# Altium PCB galileo_cleaned.PcbDoc (part 1 of 10) (continued)
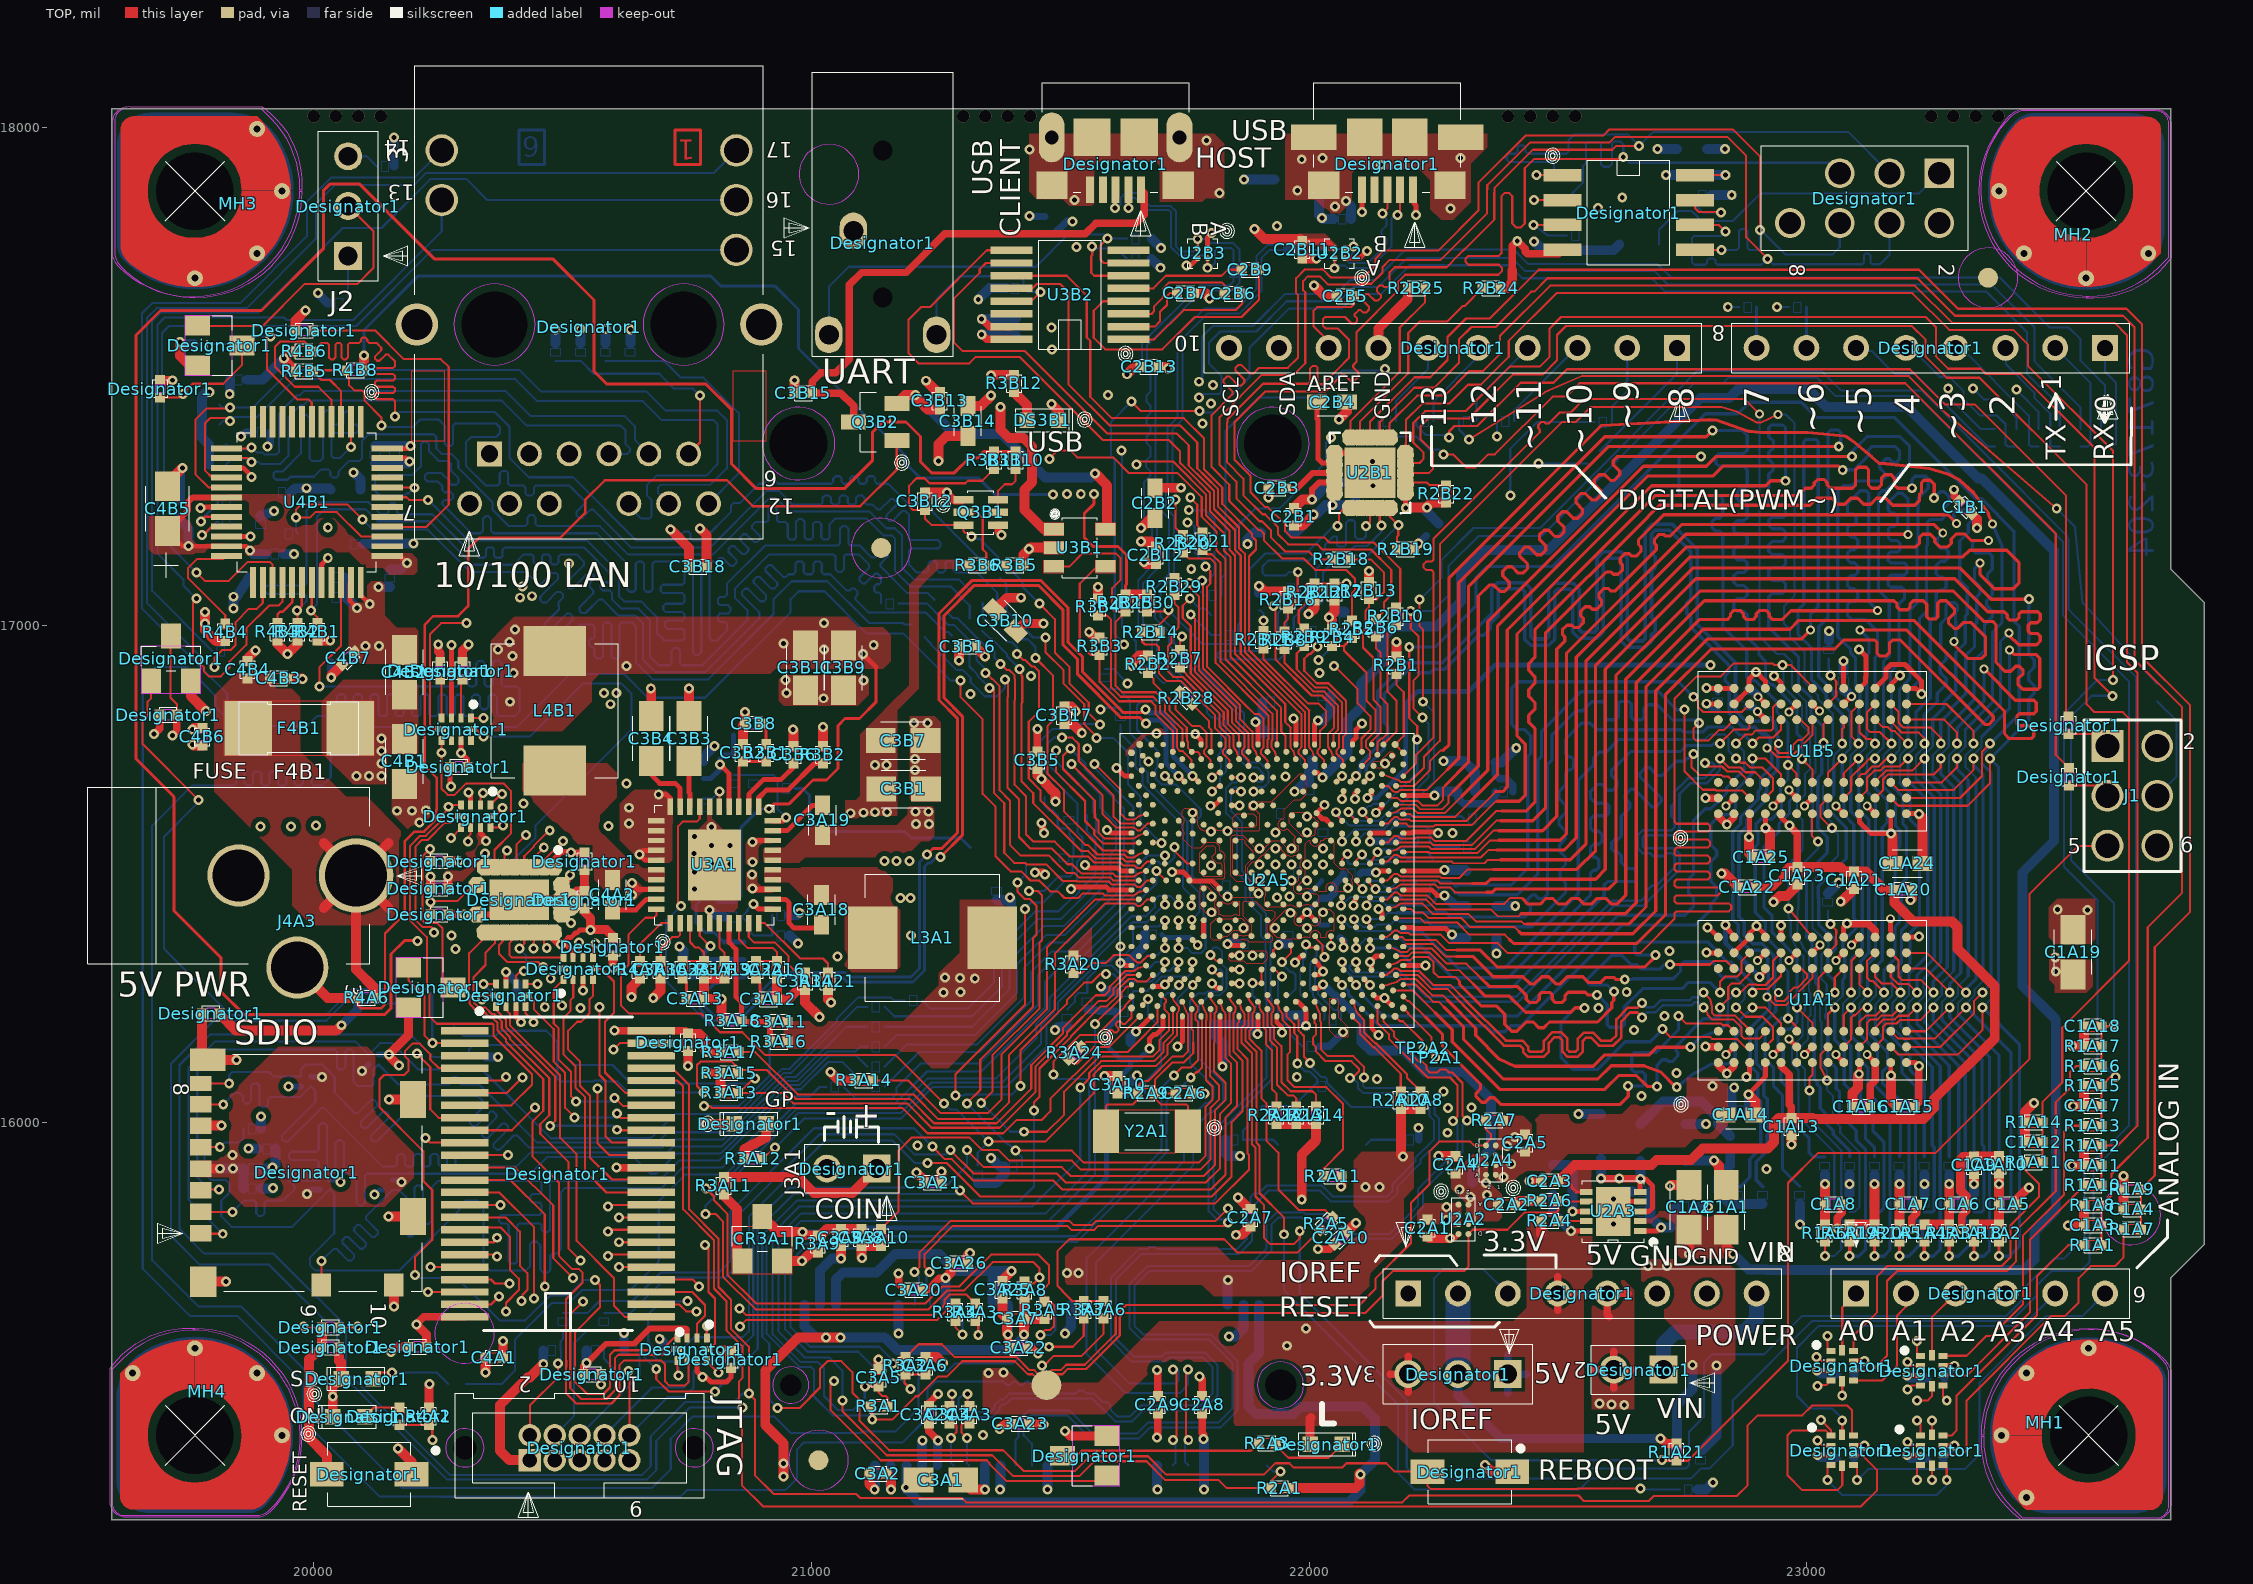
[diagram p0: TOP view]
## Components (designator, comment, footprint, x,y, rotation, side; value= is the part's Value field where it differs from the comment) (continued)
C3L29 "CAPN_0201LF-1UF,20%,4V,0201LF" SMC0201 21953,16570 r225 bottom
C3L30 "CAPN_0402LF-1000PF,10%,50V,0402LF" SMC0402A#3 22028,16583.5 r0 bottom
C3M1 "CAPN_0402LF-1000PF,10%,50V,0402LF" SMC0402A#3 21942.5,16622 r270 bottom
C3M2 "CAPN_0402LF-1000PF,10%,50V,0402LF" SMC0402A#3 22000,16667.5 r180 bottom
C3M3 "CAPN_0402LF-1UF,10%,6.3V,0402LF" SMC0402A#3 22391.5,16665 r90 bottom
C3M4 "CAPN_0603LF-2.2UF,10%,6.3V,0603LF" SMC0603#2 22344,16724 r90 bottom
C3M5 "CAPN_0402LF-1000PF,10%,50V,0402LF" SMC0402A#3 21990.5,16730 r90 bottom
C3M6 "CAPN_0402LF-1000PF,10%,50V,0402LF" SMC0402A#3 21924.5,16782 r270 bottom
C3M7 "CAPN_0402LF-1000PF,10%,50V,0402LF" SMC0402A#3 21923.5,16846 r270 bottom
C3M8 "CAPN_0402LF-1000PF,10%,50V,0402LF" SMC0402A#3 22025.5,16859 r90 bottom
C3M9 "CAPN_0603LF-10UF,20%,6.3V,0603LF" SMC0603#2 21933,17186 r270 bottom
C3M10 "CAPN_0402LF-0.1UF,10%,16V,0402LF" SMC0402A#3 22093,17268.5 r180 bottom
C3M11 "CAPN_0805LF-47UF,20%,6.3V,0805LF" SMC0805#2 21975,17895 r270 bottom
C3M12 "CAPN_0402LF-0.1UF,10%,16V,0402LF" SMC0402A#3 22066.5,17816 r90 bottom
C3M13 "CAPN_0402LF-0.1UF,10%,16V,0402LF" SMC0402A#4 22247.63,17191.63 r315 bottom
C4A1 "CAPN_0402LF-0.1UF,10%,16V,0402LF" SMC0402A#1 20362.5,15528 r270 top
C4A2 "CAPN_0603LF-.047UF,10%,16V,0603LF" SMC0603#1 20600,16458 r0 top
C4B1 "CAPN_0805LF-47UF,20%,6.3V,0805LF" SMC0805#1 20182,16726 r0 top
C4B2 "CAPN_0805LF-47UF,20%,6.3V,0805LF" SMC0805#1 20182,16905 r180 top
C4B3 "CAPN_0402LF-1UF,10%,6.3V,0402LF" SMC0402A#1 19929.5,16893 r90 top
C4B4 "CAPN_0402LF-0.1UF,10%,16V,0402LF" SMC0402A#1 19867,16910.5 r180 top
C4B5 "CAP_P_0805LF-10UF,10%,16V,0805LF" SMC0805P 19706,17234 r180 top
C4B6 "CAPN_0402LF-0.01UF,10%,50V,0402LF" SMC0402A#2 19776,16775.5 r0 top
C4B7 "CAPN_0402LF-0.1UF,10%,16V,0402LF" SMC0402A#2 20069.37,16933.37 r135 top
C4L1 "CAPN_0402LF-1UF,10%,6.3V,0402LF" SMC0402A#3 22762.5,15263 r90 bottom
C4L2 "CAPN_0402LF-0.1UF,10%,16V,0402LF" SMC0402A#4 22846,15955.5 r0 bottom
C4L3 "CAPN_0402LF-0.1UF,10%,16V,0402LF" SMC0402A#3 22866.5,16024 r90 bottom
C4M1 "CAPN_0402LF-1PF,.25PF,25V,0402LF" SMC0402A#4 22921.62,16793.63 r315 bottom
C4M2 "CAPN_0402LF-0.1UF,10%,16V,0402LF" SMC0402A#3 22880,16853.5 r180 bottom
C4M3 "CAPN_0402LF-0.1UF,10%,16V,0402LF" SMC0402A#3 22821,16846.5 r0 bottom
C4M4 "CAPN_0402LF-0.1UF,10%,16V,0402LF" SMC0402A#3 23074,16887.5 r0 bottom
C4M5 "CAPN_0402LF-0.1UF,10%,16V,0402LF" SMC0402A#3 22763.5,17904 r270 bottom
C4M6 "CAPN_0603LF-4.7UF,10%,6.3V,0603LF" SMC0603#2 22769,17957 r270 bottom
CR3A1 "DIOSOT23C_SOT23CLF-C52251-001" SOT23#1 20901,15767 r90 top
CR3M1 "DIOSOT23C_SOT23CLF-C52251-001" SOT23#2 22663,17810 r270 bottom
Designator1 "CY8C9540A_SSOP-IC,H18589-001" SSOP48_30_25IA 20490.5,15897.5 r180 top
Designator1 "TS5A23159_QFN-IC,G63512-001" QFN10_06_08_5MA 20760,15545 r270 top
Designator1 "TS5A23159_QFN-IC,G63512-001" QFN10_06_08_5MA 20396,16256 r90 top
Designator1 "TS5A23159_QFN-IC,G63512-001" QFN10_06_08_5MA 20286,16791 r270 top
Designator1 "TS5A23159_QFN-IC,G63512-001" QFN10_06_08_5MA 23071,15342 r0 top
Designator1 "TS5A23159_QFN-IC,G63512-001" QFN10_06_08_5MA 23251,15342 r0 top
Designator1 "TS5A23159_QFN-IC,G63512-001" QFN10_06_08_5MA 23251,15502 r0 top
Designator1 "TS5A23159_QFN-IC,G63512-001" QFN10_06_08_5MA 23071,15512 r0 top
Designator1 "TS5A23159_QFN-IC,G63512-001" QFN10_06_08_5MA 20531,16310 r90 top
Designator1 "TS5A23159_QFN-IC,G63512-001" QFN10_06_08_5MA 20325,16616 r270 top
Designator1 "TXS0108E_QFN-IC,H18588-001" QFN20_14_18_5MB 20413,16448 r270 top
Designator1 "1X10RCPT_THLF-G79666-001" 1X10RCPT_2P54_VT_TH 22289,17557 r180 top
Designator1 "1X6RCPT_THLF-G79672-001" 1X6RCPT_2P54_VT_TH 23349,15657 r0 top
Designator1 "1X8RCPT_THLF-G79625-001" 1X8RCPT_2P54_VT_TH 23249,17557 r180 top
Designator1 "1X8RCPT_THLF-G79625-001" 1X8RCPT_2P54_VT_TH 22549,15657 r0 top
Designator1 "W25Q64FV_8P_SOICLF-H10285-001" SOI8_50IN_213X210 22642,17829 r0 top
Designator1 "AUDIOJACK_1PORT_3P_THLF-G76363-001" JK_STX3000_3P_2GH 21143.06,17815.62 r180 top
Designator1 "2X4HDR7_THLF-A91836-079" 2X4HDR7 23116,17858 r270 top
Designator1 "1X3HDR_THLF-A91829-001" 102276-003 20066.5,17844.5 r180 top
Designator1 "1X3HDR_THLF-A91829-001" 102276-003 22296.5,15492.5 r270 top
Designator1 "SWSPSTPB_SM2PLF-D90553-001" SSW2RPB 20111,15294 r270 top
Designator1 "SWSPSTPB_SM2PLF-D90553-001" SSW2RPB 22323,15299 r270 top
Designator1 "MICRO_USB_5P_SMT_SMLF-E77884-001" RCPT_USB_5P_6MTG_SM 22157,17927.6 r180 top
Designator1 "MICRO_USB_5P_SMT_SMLF-G58911-001" RCPT_USB_5P_DIP_SM 21611,17927.6 r180 top
Designator1 "RJ45_GBE_L8291J_THLF-C98527-001" RJ45_L8291J 20553,17649 r0 top
Designator1 "2X5HDR_THLF-G84017-001" 2X5HDR_SHRD_1P27MM_VT_TH 20534,15352.02 r0 top
Designator1 "FET_SOT23LF-C81974-001" SOT23#3 20235,16272 r0 top
Designator1 "FET_SOT23LF-C81974-001" SOT23#3 21549,15331 r180 top
Designator1 "FET_SOT23LF-C81974-001" SOT23#3 19713,16933 r90 top
Designator1 "FET_SOT23LF-C81974-001" SOT23#3 19811,17562 r0 top
Designator1 "1X2HDR_THLF-A91829-027" 102276-001 22662,15504 r270 top
Designator1 "1X2HDR_THLF-A91829-027" 102276-001 21081,15908 r270 top
Designator1 "CONN_SDCARD_8P_PP_SMLF-G46739-001" CONN_SDCARD_8P_PP 19931.58,15899.99 r270 top
Designator1 "LED_0603LF-E16297-001" SMLED0603 20087,15486 r270 top
Designator1 "LED_0603LF-E16297-001" SMLED0603 22034,15354 r90 top
Designator1 "LED_0603LF-E16297-001" SMLED0603 20877,15998 r270 top
Designator1 "LED_0603LF-E16297-001" SMLED0603 20070,15409 r270 top
Designator1 "CAPN_0402LF-0.1UF,10%,16V,0402LF" SMC0402A#1 20838,15525 r180 top
Designator1 "CAPN_0402LF-1UF,10%,6.3V,0402LF" SMC0402A#2 20033.5,15549 r90 top
Designator1 "CAPN_0402LF-0.1UF,10%,16V,0402LF" SMC0402A#2 20291.5,16715 r270 top
Designator1 "CAPN_0402LF-0.1UF,10%,16V,0402LF" SMC0402A#1 20752,16161.5 r180 top
Designator1 "CAPN_0402LF-0.1UF,10%,16V,0402LF" SMC0402A#2 20208.5,15550 r270 top
Designator1 "CAPN_0402LF-0.1UF,10%,16V,0402LF" SMC0402A#1 20544,16448.5 r180 top
Designator1 "CAPN_0402LF-0.1UF,10%,16V,0402LF" SMC0402A#2 20601,16353.5 r0 top
Designator1 "CAPN_0402LF-0.1UF,10%,16V,0402LF" SMC0402A#2 19793,16220 r270 top
Designator1 "CAPN_0402LF-0.1UF,10%,16V,0402LF" SMC0402A#2 20544,16525.5 r0 top
Designator1 "CAPN_0402LF-0.1UF,10%,16V,0402LF" SMC0402A#2 20252,16471 r270 top
Designator1 "CAPN_0402LF-0.1UF,10%,16V,0402LF" SMC0402A#2 20559.5,15495 r270 top
Designator1 "RESN_0402LF-33.2,1%,0402LF" SMR0402A#1 23527,16695 r0 top
Designator1 "RESN_0402LF-33.2,1%,0402LF" SMR0402A#1 23526,16799 r0 top
Designator1 "RESN_0402LF-0,5%,0402LF" SMR0402A#1 20033.5,15589 r90 top
Designator1 "RESN_0402LF-10K,5%,0402LF" SMR0402A#1 20252,16526 r270 top
Designator1 "RESN_0402LF-10K,5%,0402LF" SMR0402A#1 19707.5,16820 r90 top
Designator1 "RESN_0402LF-10K,5%,0402LF" SMR0402A#1 19691,17475 r0 top
Designator1 "RESN_0402LF-10K,5%,0402LF" SMR0402A#1 20299,16908.5 r0 top
Designator1 "RESN_0402LF-10K,5%,0402LF" SMR0402A#1 20254,16908.5 r0 top
Designator1 "RESN_0402LF-10K,5%,0402LF" SMR0402A#1 20252,16419 r90 top
Designator1 "RESN_0402LF-2.2K,5%,0402LF" SMR0402A#1 19981,17592 r270 top
Designator1 "RESN_0402LF-330,5%,0402LF" SMR0402A#2 20172,15410.5 r180 top
Designator1 "MPCIE_LATCH_KIT,F" SKT_MPCIE_FULL_52P_LATCH 21450.42,16370.48 r0 bottom
Designator1 "CAPN_0402LF-0.1UF,10%,16V,0402LF" SMC0402A#4 23077.5,15327 r270 bottom
Designator1 "CAPN_0402LF-0.1UF,10%,16V,0402LF" SMC0402A#4 23256.5,15325 r270 bottom
Designator1 "CAPN_0402LF-0.1UF,10%,16V,0402LF" SMC0402A#4 23258.5,15487 r270 bottom
Designator1 "CAPN_0402LF-0.1UF,10%,16V,0402LF" SMC0402A#4 23077.5,15495 r270 bottom
Designator1 "RESN_0402LF-33.2,1%,0402LF" SMR0402A#3 23704,16864 r180 bottom
Designator1 "RESN_0402LF-330,5%,0402LF" SMR0402A#4 20051.5,17647 r90 bottom
Designator1 "RESN_0402LF-100K,5%,0402LF,E" SMR0402A#3 20329.5,16132 r270 bottom
Designator1 "RESN_0402LF-100K,5%,0402LF,E" SMR0402A#4 20106.5,16240 r90 bottom
DS3B1 "LED_0603LF-E16297-001" SMLED0603 21465,17412 r90 top
F4B1 "FUSE_SMT_SMLF-G89151-001" SMF2411 19970.5,16793 r90 top
FB1M1 "FERRITE_SMLF-656554-032" SMF0805 19835,17096 r270 bottom
FB3L1 "FERR_BD_SMLF-G22224-001" SMF0402 22025,16469 r270 bottom
FB3M1 "FERR_BD_SMLF-G22224-001" SMF0402 22316,16666 r0 bottom
J1 "CONN6_H18587001_TH-CONN,H18587-001" CONN6_H18587001 23654,16657 r0 top
J4A3 "PWRJACK_THLF-D33700-002" JK_3P_RA 19852.82,16455.56 r90 top
L2M1 "INDUCTOR_SMLF-A32422-019" SMI_255_255#1 21187,16705 r270 bottom
L3A1 "INDUCTOR_SMLF-A32422-019" SMI_255_255#2 21243,16372 r90 top
L3M1 "CHOKE_4P_03025LF-E53905-001" SML03025_4P 21854,17713 r270 bottom
L3M2 "CHOKE_4P_03025LF-E53905-001" SML03025_4P 21963,17759 r180 bottom
L4B1 "INDUCTOR_SMLF-A32422-019" SMI_255_255#2 20484,16828 r180 top
LB3 "LABEL_SMLF-A19177-001" 628492-001 21471.5,15473 r180 bottom
LB6V1 "LABEL_SMLF-A88430-001" LB_1500X500_PKG 20508,16443 r270 bottom
MH1 "MTG_HOLE_4V_THLF-SPOKE_N156_CNR_PKG_2_7" SPOKE_N156_CNR_PKG_2_7 23540.94,15394.54 r90 top
MH2 "MTG_HOLE_4V_THLF-SPOKE_N156_CNR_PKG_2_7" SPOKE_N156_CNR_PKG_2_7 23538.46,17846.94 r180 top
MH3 "MTG_HOLE_4V_THLF-SPOKE_N156_CNR_PKG_2_7" SPOKE_N156_CNR_PKG_2_7 19786.06,17849.46 r270 top
MH4 "MTG_HOLE_4V_THLF-SPOKE_N156_CNR_PKG_2_7" SPOKE_N156_CNR_PKG_2_7 19783.54,15397.06 r0 top
Q1L1 "FET_SOT23LF-C81974-001" SOT23#2 20476,16156 r0 bottom
Q1L2 "FET_SOT23LF-C81974-001" SOT23#2 20237,16233 r0 bottom
Q3B1 "NPN_DW1SOTLF-C52264-001" SOT363 21340,17226.4 r0 top
Q3B2 "MOSFETP_3PIN_SOT23LF-D32396-001" SOT23B 21128,17408 r180 top
R1A1 "RESN_0402LF-4.99K,1%,0402LF" SMR0402A#2 23574.5,15754 r90 top
R1A2 "RESN_0402LF-36.5,1%,0402LF" SMR0402A#2 23386,15778.5 r180 top
R1A3 "RESN_0402LF-36.5,1%,0402LF" SMR0402A#2 23286,15778.5 r180 top
R1A4 "RESN_0402LF-36.5,1%,0402LF" SMR0402A#2 23236,15778.5 r180 top
R1A5 "RESN_0402LF-36.5,1%,0402LF" SMR0402A#2 23186,15778.5 r180 top
R1A6 "RESN_0402LF-36.5,1%,0402LF" SMR0402A#2 23036,15778.5 r180 top
R1A7 "RESN_0402LF-4.99K,1%,0402LF" SMR0402A#2 23653.5,15786 r90 top
R1A8 "RESN_0402LF-4.99K,1%,0402LF" SMR0402A#2 23574.5,15834 r270 top
R1A9 "RESN_0402LF-4.99K,1%,0402LF" SMR0402A#2 23653.5,15866 r270 top
R1A10 "RESN_0402LF-4.99K,1%,0402LF" SMR0402A#2 23574.5,15874 r90 top
R1A11 "RESN_0402LF-4.99K,1%,0402LF" SMR0402A#2 23455.5,15921 r90 top
R1A12 "RESN_0402LF-4.99K,1%,0402LF" SMR0402A#2 23574.5,15954 r270 top
R1A13 "RESN_0402LF-4.99K,1%,0402LF" SMR0402A#2 23574.5,15994 r90 top
R1A14 "RESN_0402LF-4.99K,1%,0402LF" SMR0402A#2 23455.5,16001 r270 top
R1A15 "RESN_0402LF-4.99K,1%,0402LF" SMR0402A#2 23574.5,16074 r270 top
R1A16 "RESN_0402LF-4.99K,1%,0402LF" SMR0402A#2 23574.5,16114 r90 top
R1A17 "RESN_0402LF-4.99K,1%,0402LF" SMR0402A#2 23574.5,16154 r270 top
R1A18 "RESN_0402LF-36.5,1%,0402LF" SMR0402A#2 23336,15778.5 r180 top
R1A19 "RESN_0402LF-36.5,1%,0402LF" SMR0402A#2 23086,15778.5 r180 top
R1A20 "RESN_0402LF-36.5,1%,0402LF" SMR0402A#2 23136,15778.5 r180 top
R1A21 "RESN_0402LF-100K,1%,0402LF" SMR0402A#1 22738,15338.5 r0 top
R1B1 "RESN_0402LF-33.2,1%,0402LF" SMR0402A#4 22881.5,17639 r90 bottom
R1B2 "RESN_0402LF-33.2,1%,0402LF" SMR0402A#4 22981.5,17639 r90 bottom
R1L1 "RESN_0402LF-1K,1%,0402LF,E" SMR0402A#4 20478.5,15543 r90 bottom
R1L2 "RESN_0402LF-1K,1%,0402LF,E" SMR0402A#4 20565.5,15543 r270 bottom
R1L3 "RESN_0402LF-1K,1%,0402LF" SMR0402A#4 20640.5,15543 r90 bottom
R1L5 "RESN_0402LF-33.2,1%,0402LF" SMR0402A#4 20501,15600.5 r180 bottom
R1L7 "RESN_0402LF-33.2,1%,0402LF" SMR0402A#4 20583,15600.5 r180 bottom
R1L10 "RESN_0402LF-1K,1%,0402LF" SMR0402A#3 20288,15475 r90 bottom
R1L11 "RESN_0402LF-10.0K,1%,0402LF" SMR0402A#4 19876.5,15988 r90 bottom
R1M1 "RESN_0402LF-110,1%,0402LF" SMR0402A#4 19896,16837.5 r180 bottom
R1M2 "RESN_0402LF-110,1%,0402LF" SMR0402A#4 19813.5,16948 r90 bottom
R1M3 "RESN_0402LF-2.2K,5%,0402LF" SMR0402A#4 19950.5,17184 r90 bottom
R1M4 "RESN_0402LF-2.2K,5%,0402LF" SMR0402A#4 19824.5,17207 r270 bottom
R1M5 "RESN_0402LF-2.2K,5%,0402LF" SMR0402A#4 19824.5,17247 r270 bottom
R1M6 "RESN_0603LF-0,0,0603LF" SMR0603 20064,17272 r270 bottom
R1M7 "RESN_0402LF-49.9,1%,0402LF" SMR0402A#3 19806.5,17323 r90 bottom
R1M8 "RESN_0402LF-49.9,1%,0402LF" SMR0402A#3 19806.5,17363 r90 bottom
R1M9 "RESN_0402LF-49.9,1%,0402LF" SMR0402A#3 19792.5,17403 r90 bottom
R1M10 "RESN_0402LF-49.9,1%,0402LF" SMR0402A#3 19792.5,17443 r90 bottom
R1M11 "RESN_0402LF-4.7K,5%,0402LF" SMR0402A#4 20486,17548.5 r0 bottom
R1M12 "RESN_0402LF-0,0,0402LF" SMR0402A#3 19776.5,17565 r270 bottom
R2A1 "RESN_0402LF-1K,1%,0402LF" SMR0402A#2 21940.5,15266 r270 top
R2A3 "RESN_0402LF-1K,1%,0402LF" SMR0402A#2 21915.5,15356 r270 top
R2A4 "RESN_0402LF-10K,5%,0402LF" SMR0402A#2 22483.5,15803 r90 top
R2A5 "RESN_0402LF-0,0,0402LF" SMR0402A#1 22034.63,15797.62 r315 top
R2A6 "RESN_0402LF-10K,5%,0402LF" SMR0402A#2 22483.5,15843 r270 top
R2A7 "RESN_0402LF-10K,5%,0402LF" SMR0402A#2 22371.5,16005 r90 top
R2A8 "RESN_0402LF-7.5K,1%,0402LF" SMR0402A#2 22224,16045.5 r180 top
R2A9 "RESN_0402LF-10M,5%,0402LF" SMR0402A#2 21672.5,16059 r270 top
R2A10 "RESN_0402LF-7.5K,1%,0402LF" SMR0402A#2 22184,16045.5 r0 top
R2A11 "RESN_0402LF-7.5K,1%,0402LF" SMR0402A#1 22047.5,15893 r270 top
R2A12 "RESN_0402LF-49.9,1%,0402LF" SMR0402A#1 21934,16015.5 r0 top
R2A13 "RESN_0402LF-49.9,1%,0402LF" SMR0402A#1 21974,16015.5 r0 top
R2A14 "RESN_0402LF-49.9,1%,0402LF" SMR0402A#1 22014,16015.5 r0 top
R2B1 "RESN_0402LF-10K,5%,0402LF" SMR0402A#2 22175,16919.5 r180 top
R2B2 "RESN_0402LF-22.6,1%,0402LF" SMR0402A#2 21676,16921.5 r180 top
R2B4 "RESN_0402LF-10.0K,1%,0402LF" SMR0402A#2 22046,16975.5 r180 top
R2B5 "RESN_0402LF-33.2,1%,0402LF" SMR0402A#2 22086,16991.5 r180 top
R2B6 "RESN_0402LF-33.2,1%,0402LF" SMR0402A#1 22134,16994.5 r180 top
R2B7 "RESN_0402LF-33.2,1%,0402LF" SMR0402A#1 21740,16932.5 r0 top
R2B8 "RESN_0402LF-33.2,1%,0402LF" SMR0402A#2 21950,16969.5 r0 top
R2B9 "RESN_0402LF-33.2,1%,0402LF" SMR0402A#2 21990,16975.5 r0 top
R2B10 "RESN_0402LF-33.2,1%,0402LF" SMR0402A#1 22174,17017.5 r0 top
R2B11 "RESN_0402LF-33.2,1%,0402LF" SMR0402A#2 21908,16970.5 r0 top
R2B12 "RESN_0402LF-10.0K,1%,0402LF" SMR0402A#2 22011,17066.5 r180 top
R2B13 "RESN_0402LF-10.0K,1%,0402LF" SMR0402A#2 22120,17069.5 r180 top
R2B14 "RESN_0402LF-33.2,1%,0402LF" SMR0402A#1 21681.5,16986 r270 top
R2B15 "RESN_0402LF-10K,5%,0402LF" SMR0402A#2 21631,17044.5 r0 top
R2B16 "RESN_0402LF-10.0K,1%,0402LF" SMR0402A#2 21957,17050.5 r0 top
R2B17 "RESN_0402LF-10.0K,1%,0402LF,E" SMR0402A#2 22051,17066.5 r0 top
R2B18 "RESN_0402LF-33.2,1%,0402LF" SMR0402A#1 22064.5,17132 r270 top
R2B19 "RESN_0402LF-10.0K,1%,0402LF" SMR0402A#2 22193.5,17152 r90 top
R2B20 "RESN_0402LF-33.2,1%,0402LF" SMR0402A#2 21746,17163.5 r0 top
R2B21 "RESN_0402LF-33.2,1%,0402LF" SMR0402A#2 21786,17168.5 r0 top
R2B22 "RESN_0402LF-10.0K,1%,0402LF" SMR0402A#2 22275,17263.5 r180 top
R2B24 "RESN_0402LF-4.99K,1%,0402LF" SMR0402A#2 22365.5,17677 r90 top
R2B25 "RESN_0402LF-4.99K,1%,0402LF" SMR0402A#2 22215.5,17677 r270 top
R2B28 "RESN_0402LF-0,0,0402LF,E" SMR0402A#1 21752.63,16853.37 r225 top
R2B29 "RESN_0402LF-33.2,1%,0402LF,E" SMR0402A#1 21729,17077.5 r0 top
R2B30 "RESN_0402LF-10K,5%,0402LF" SMR0402A#1 21674,17044.5 r0 top
R2L1 "RESN_0402LF-1K,1%,0402LF,E" SMR0402A#4 20720.5,15543 r90 bottom
R2L2 "RESN_0402LF-10K,5%,0402LF" SMR0402A#4 21405.5,15912 r270 bottom
R2L3 "RESN_0402LF-10.0K,1%,0402LF" SMR0402A#4 21334,15896.5 r0 bottom
R2L4 "RESN_0402LF-33.2,1%,0402LF" SMR0402A#4 21047.5,16072 r90 bottom
R2L5 "RESN_0402LF-33.2,1%,0402LF" SMR0402A#4 21129.5,16073 r270 bottom
R2L6 "RESN_0402LF-33.2,1%,0402LF" SMR0402A#4 21129.5,16113 r270 bottom
R2L7 "RESN_0402LF-33.2,1%,0402LF" SMR0402A#4 21129.5,16153 r270 bottom
R2L8 "RESN_0402LF-33.2,1%,0402LF" SMR0402A#4 21129.5,16193 r270 bottom
R2L9 "RESN_0402LF-10K,5%,0402LF" SMR0402A#4 21628.5,16224 r90 bottom
R2L10 "RESN_0402LF-1K,1%,0402LF,E" SMR0402A#4 21554,16243.5 r180 bottom
R2L11 "RESN_0402LF-10K,5%,0402LF" SMR0402A#4 21514,16210.5 r0 bottom
R2L12 "RESN_0402LF-33.2,1%,0402LF" SMR0402A#4 21129.5,16233 r270 bottom
R2L13 "RESN_0402LF-33.2,1%,0402LF" SMR0402A#4 21204.5,16246 r270 bottom
R2L14 "RESN_0402LF-40.2K,1%,0402LF" SMR0402A#4 20824,16310.5 r180 bottom
R2L15 "RESN_0402LF-158K,1%,0402LF" SMR0402A#4 20784,16310.5 r0 bottom
R2L16 "RESN_0402LF-10K,5%,0402LF" SMR0402A#4 20938.5,16376 r90 bottom
R2L17 "RESN_0402LF-10K,5%,0402LF" SMR0402A#4 20938.5,16417 r270 bottom
R2L18 "RESN_0402LF-10K,5%,0402LF" SMR0402A#4 21518,16608.5 r180 bottom
R2L19 "RESN_0402LF-40.2K,1%,0402LF,E" SMR0402A#3 20824,16345.5 r0 bottom
R2L20 "RESN_0402LF-158K,1%,0402LF,E" SMR0402A#3 20766.5,16328 r270 bottom
R2L21 "RESN_0402LF-49.9,1%,0402LF,E" SMR0402A#4 21652.5,16060 r90 bottom
R2M1 "RESN_0402LF-0,0,0402LF" SMR0402A#4 20783,16633.5 r180 bottom
R2M2 "RESN_0402LF-2.2K,5%,0402LF" SMR0402A#4 20949.5,16672 r270 bottom
R2M3 "RESN_0402LF-10K,5%,0402LF" SMR0402A#4 20843,16681.5 r0 bottom
R2M4 "RESN_0402LF-40.2K,1%,0402LF" SMR0402A#3 20860.5,16779 r270 bottom
R2M5 "RESN_0402LF-33.2,1%,0402LF" SMR0402A#4 21621,16816.5 r0 bottom
R2M6 "RESN_0402LF-45.3K,1%,0402LF" SMR0402A#3 20783,16709.5 r180 bottom
R2M7 "RESN_0402LF-33.2,1%,0402LF" SMR0402A#3 21294.63,16966.38 r225 bottom
R2M8 "RESN_0402LF-33.2,1%,0402LF" SMR0402A#3 21385.63,17002.38 r225 bottom
R2M9 "RESN_0402LF-33.2,1%,0402LF" SMR0402A#3 21214.37,16988.62 r45 bottom
R2M10 "RESN_0402LF-33.2,1%,0402LF" SMR0402A#3 21330.37,17000.62 r45 bottom
R2M11 "RESN_0402LF-33.2,1%,0402LF" SMR0402A#4 21157.5,17043 r270 bottom
R2M12 "RESN_0402LF-33.2,1%,0402LF" SMR0402A#3 21331.63,17056.38 r225 bottom
R2M13 "RESN_0402LF-33.2,1%,0402LF" SMR0402A#3 21259.37,17038.62 r45 bottom
R2M14 "RESN_0402LF-33.2,1%,0402LF" SMR0402A#3 21366.63,17107.38 r225 bottom
R2M15 "RESN_0402LF-4.7K,5%,0402LF" SMR0402A#4 20636,17548.5 r0 bottom
R3A1 "RESN_0402LF-24.9K,1%,0402LF" SMR0402A#2 21135.5,15430 r90 top
R3A2 "RESN_0402LF-24.9K,1%,0402LF" SMR0402A#2 21189,15511.5 r0 top
R3A3 "RESN_0402LF-0,0,0402LF,E" SMR0402A#2 21329,15619.5 r180 top
R3A4 "RESN_0402LF-0,0,0402LF,E" SMR0402A#2 21289,15619.5 r180 top
R3A5 "RESN_0402LF-1K,1%,0402LF" SMR0402A#2 21468,15623.5 r180 top
R3A6 "RESN_0402LF-22.6,1%,0402LF" SMR0402A#2 21587,15624.5 r0 top
R3A7 "RESN_0402LF-22.6,1%,0402LF" SMR0402A#2 21547,15624.5 r0 top
R3A8 "RESN_0402LF-1K,1%,0402LF" SMR0402A#2 21428,15663.5 r180 top
R3A9 "RESN_0402LF-0,0,0402LF,E" SMR0402A#2 21013,15756.5 r180 top
R3A10 "RESN_0402LF-10.0K,1%,0402LF" SMR0402A#2 21140,15769.5 r0 top
R3A11 "RESN_0402LF-1K,1%,0402LF" SMR0402A#2 20824,15873.5 r180 top
R3A12 "RESN_0402LF-1K,1%,0402LF" SMR0402A#1 20882.5,15928 r90 top
R3A13 "RESN_0402LF-2.2K,5%,0402LF" SMR0402A#2 20834.5,16060 r90 top
R3A14 "RESN_0402LF-10.0K,1%,0402LF" SMR0402A#2 21105.5,16085 r270 top
R3A15 "RESN_0402LF-2.2K,5%,0402LF" SMR0402A#2 20834.5,16100 r90 top
R3A16 "RESN_0402LF-40.2K,1%,0402LF" SMR0402A#2 20934.5,16163 r270 top
R3A17 "RESN_0402LF-10.0K,1%,0402LF" SMR0402A#1 20835.5,16142 r270 top
R3A18 "RESN_0402LF-12.7K,1%,0402LF" SMR0402A#1 20841.5,16205 r270 top
R3A19 "RESN_0402LF-180K,1%,0402LF" SMR0402A#2 20825,16307.5 r180 top
R3A20 "RESN_0402LF-10.0K,1%,0402LF" SMR0402A#2 21526,16318.5 r180 top
R3A21 "RESN_0402LF-147K,1%,0402LF" SMR0402A#2 21033,16284.5 r0 top
R3A22 "RESN_0402LF-24.9K,1%,0402LF" SMR0402A#2 20888,16307.5 r0 top
R3A23 "RESN_0402LF-24.9K,1%,0402LF" SMR0402A#2 20741,16307.5 r0 top
R3A24 "RESN_0402LF-0,0,0402LF,E" SMR0402A#1 21529.37,16140.37 r135 top
R3B1 "RESN_0402LF-24.9K,1%,0402LF" SMR0402A#2 20909,16743.5 r180 top
R3B2 "RESN_0402LF-180K,1%,0402LF" SMR0402A#2 21023,16739.5 r180 top
R3B3 "RESN_0402LF-10K,5%,0402LF" SMR0402A#2 21579,16957.5 r180 top
R3B4 "RESN_0402LF-10K,5%,0402LF" SMR0402A#2 21576,17036.5 r0 top
R3B5 "RESN_0402LF-1.5K,1%,0402LF" SMR0402A#2 21408.5,17120 r90 top
R3B6 "RESN_0402LF-1K,1%,0402LF" SMR0402A#2 21333.5,17120 r90 top
R3B10 "RESN_0402LF-10K,5%,0402LF" SMR0402A#2 21410,17331.5 r0 top
R3B11 "RESN_0402LF-4.7K,5%,0402LF" SMR0402A#2 21367,17331.5 r0 top
R3B12 "RESN_0402LF-1K,1%,0402LF" SMR0402A#2 21407,17485.5 r180 top
R3L1 "RESN_0402LF-10.0K,1%,0402LF" SMR0402A#4 22668.5,15862 r270 bottom
R3L2 "RESN_0402LF-1M,5%,0402LF" SMR0402A#4 22025.5,16073 r90 bottom
R3L3 "RESN_0402LF-10K,5%,0402LF" SMR0402A#4 21893,16214.5 r0 bottom
R3L4 "RESN_0402LF-8.06K,1%,0402LF" SMR0402A#4 21958,16377.5 r180 bottom
R3L5 "RESN_0402LF-32.4,1%,0402LF" SMR0402A#4 22318.5,16555 r90 bottom
R3L6 "RESN_0402LF-274,1%,0402LF" SMR0402A#4 22201.5,16574 r270 bottom
R3L7 "RESN_0402LF-34,1%,0402LF" SMR0402A#4 22328.5,16611 r90 bottom
R3L8 "RESN_0402LF-0,0,0402LF,E" SMR0402A#3 22230.5,16527 r270 bottom
R3L9 "RESN_0402LF-0,0,0402LF,E" SMR0402A#4 22197.5,16487 r90 bottom
R3L10 "RESN_0402LF-0,0,0402LF,E" SMR0402A#3 21989,16233.5 r0 bottom
R3L11 "RESN_0402LF-110,1%,0402LF" SMR0402A#3 21719.5,16236 r270 bottom
R3L12 "RESN_0402LF-0,0,0402LF,E" SMR0402A#4 22046.5,16207 r90 bottom
R3L13 "RESN_0402LF-49.9,1%,0402LF" SMR0402A#4 22003.5,16154 r90 bottom
R3L14 "RESN_0402LF-0,0,0402LF,E" SMR0402A#3 21955,16233.5 r0 bottom
R3M1 "RESN_0402LF-33.2,1%,0402LF" SMR0402A#3 21709,16866.5 r0 bottom
R3M2 "RESN_0402LF-33.2,1%,0402LF" SMR0402A#4 21590,16894.5 r0 bottom
R3M5 "RESN_0402LF-33.2,1%,0402LF" SMR0402A#4 21839.5,16980 r270 bottom
R3M6 "RESN_0402LF-33.2,1%,0402LF" SMR0402A#4 22006.5,16988 r270 bottom
R3M7 "RESN_0402LF-10.0K,1%,0402LF,E" SMR0402A#4 22071,17009.5 r180 bottom
R3M8 "RESN_0402LF-33.2,1%,0402LF" SMR0402A#4 21806.5,17060 r270 bottom
R3M9 "RESN_0402LF-10.0K,1%,0402LF,E" SMR0402A#3 21899,17046.5 r0 bottom
R3M10 "RESN_0402LF-33.2,1%,0402LF" SMR0402A#3 21810,17164.5 r0 bottom
R3M11 "RESN_0402LF-33.2,1%,0402LF" SMR0402A#4 21963.5,17073 r270 bottom
R3M13 "RESN_0402LF-33.2,1%,0402LF,E" SMR0402A#3 21820.5,17020 r270 bottom
R3M14 "RESN_0402LF-33.2,1%,0402LF" SMR0402A#4 21770,17163.5 r0 bottom
R3M15 "RESN_0402LF-4.7K,5%,0402LF" SMR0402A#4 22535.5,17783 r270 bottom
R3M16 "RESN_0402LF-33.2,1%,0402LF" SMR0402A#4 22156.5,17410 r90 bottom
R3M17 "RESN_0402LF-33.2,1%,0402LF" SMR0402A#4 22232.5,17410 r90 bottom
R3M18 "RESN_0402LF-33.2,1%,0402LF" SMR0402A#4 22318.5,17410 r90 bottom
R3M19 "RESN_0402LF-33.2,1%,0402LF" SMR0402A#4 22394.5,17410 r90 bottom
R3M20 "RESN_0402LF-33.2,1%,0402LF" SMR0402A#4 22590.5,17408 r90 bottom
R3M21 "RESN_0402LF-33.2,1%,0402LF" SMR0402A#3 22571.37,17337.37 r135 bottom
R3M22 "RESN_0402LF-10K,5%,0402LF" SMR0402A#3 20390.5,16250 r270 bottom
R4A2 "RESN_0402LF-1K,1%,0402LF" SMR0402A#2 20231,15410.5 r0 top
R4A6 "RESN_0402LF-10K,5%,0402LF" SMR0402A#1 20106,16251 r270 top
R4A7 "RESN_0402LF-147K,1%,0402LF" SMR0402A#2 20655,16307.5 r0 top
R4B1 "RESN_0402LF-4.7K,5%,0402LF" SMR0402A#2 20007,16986.5 r180 top
R4B2 "RESN_0402LF-1.5K,1%,0402LF" SMR0402A#2 19967,16986.5 r180 top
R4B3 "RESN_0402LF-1.5K,1%,0402LF" SMR0402A#2 19927,16986.5 r180 top
R4B4 "RESN_0402LF-4.87K,1%,0402LF" SMR0402A#2 19822,16985.5 r0 top
R4B5 "RESN_0402LF-100K,1%,0402LF,E" SMR0402A#2 19980.5,17510 r270 top
R4B6 "RESN_0402LF-100K,1%,0402LF" SMR0402A#2 19980.5,17550 r270 top
R4B8 "RESN_0402LF-10.0K,1%,0402LF" SMR0402A#1 20083.5,17512 r270 top
R4L1 "RESN_0402LF-1K,1%,0402LF" SMR0402A#4 22739,15322.5 r0 bottom
R4L2 "RESN_0402LF-1K,1%,0402LF" SMR0402A#4 22787,15322.5 r0 bottom
R4L3 "RESN_0402LF-36.5,1%,0402LF" SMR0402A#4 23036,15838.5 r180 bottom
R4L4 "RESN_0402LF-36.5,1%,0402LF" SMR0402A#4 23086,15838.5 r180 bottom
R4L5 "RESN_0402LF-36.5,1%,0402LF" SMR0402A#4 23236,15838.5 r180 bottom
R4L6 "RESN_0402LF-36.5,1%,0402LF" SMR0402A#4 23286,15838.5 r180 bottom
R4L7 "RESN_0402LF-36.5,1%,0402LF" SMR0402A#4 23336,15838.5 r180 bottom
R4L8 "RESN_0402LF-36.5,1%,0402LF" SMR0402A#4 23386,15838.5 r180 bottom
R4L9 "RESN_0402LF-10.0K,1%,0402LF" SMR0402A#4 22755.5,15831 r270 bottom
R4L10 "RESN_0402LF-30.1,1%,0402LF" SMR0402A#4 22861,15854.5 r0 bottom
R4L11 "RESN_0402LF-30.1,1%,0402LF" SMR0402A#4 22911,15854.5 r0 bottom
R4L12 "RESN_0402LF-36.5,1%,0402LF" SMR0402A#4 22986,15854.5 r0 bottom
R4L13 "RESN_0402LF-36.5,1%,0402LF" SMR0402A#4 23036,15913.5 r0 bottom
R4L14 "RESN_0402LF-36.5,1%,0402LF" SMR0402A#4 23086,15913.5 r0 bottom
R4L15 "RESN_0402LF-36.5,1%,0402LF" SMR0402A#4 23136,15913.5 r0 bottom
R4L16 "RESN_0402LF-36.5,1%,0402LF" SMR0402A#4 23236,15913.5 r0 bottom
R4L17 "RESN_0402LF-36.5,1%,0402LF" SMR0402A#4 23336,15913.5 r0 bottom
R4L18 "RESN_0402LF-36.5,1%,0402LF" SMR0402A#4 23386,15913.5 r0 bottom
R4L19 "RESN_0402LF-240,1%,0402LF" SMR0402A#4 23042,16443.5 r0 bottom
R4L20 "RESN_0402LF-36.5,1%,0402LF" SMR0402A#4 23286,15913.5 r0 bottom
R4L21 "RESN_0402LF-36.5,1%,0402LF" SMR0402A#4 23186,15913.5 r0 bottom
R4L22 "RESN_0402LF-36.5,1%,0402LF" SMR0402A#4 23186,15838.5 r180 bottom
R4L23 "RESN_0402LF-36.5,1%,0402LF" SMR0402A#4 23136,15838.5 r180 bottom
R4M1 "RESN_0402LF-240,1%,0402LF" SMR0402A#4 23044,16950.5 r0 bottom
R4M2 "RESN_0402LF-4.7K,5%,0402LF" SMR0402A#4 22790.5,17864 r270 bottom
R4M7 "RESN_0402LF-33.2,1%,0402LF" SMR0402A#3 23591,17376.5 r0 bottom
R4M8 "RESN_0402LF-33.2,1%,0402LF" SMR0402A#3 23550,17376.5 r0 bottom
R4M9 "RESN_0402LF-33.2,1%,0402LF" SMR0402A#3 23508,17376.5 r0 bottom
R4M10 "RESN_0402LF-33.2,1%,0402LF" SMR0402A#3 23465,17376.5 r0 bottom
R4M11 "RESN_0402LF-33.2,1%,0402LF" SMR0402A#3 23421,17376.5 r0 bottom
R4M12 "RESN_0402LF-33.2,1%,0402LF" SMR0402A#3 23378,17376.5 r0 bottom
R9 "RESN_0402LF-330,5%,0402LF" SMR0402A#4 20143.5,17922 r90 bottom
TP1 "TEST_PAD_S20_PADLF-IPD231-098,E" TEST_PAD_S20 21678,16310 r180 bottom
TP2 "TEST_PAD_S20_PADLF-IPD231-098,E" TEST_PAD_S20 21702,16190 r180 bottom
TP2A1 "T_POINT1_TPLF-VIA_18-10-28_SMB,TP" VIA_18-10-28_SMB_T-POINT 22254,16131 r180 top
TP2A2 "T_POINT1_TPLF-VIA_18-10-28_SMB,TP" VIA_18-10-28_SMB_T-POINT 22229,16150 r180 top
U1A1 "MT41K128M8_FBGALF-G83568-001" FBGA78_8X11P5_8MM 23011,16247 r90 top
U1B5 "MT41K128M8_FBGALF-G83568-001" FBGA78_8X11P5_8MM 23011,16747 r90 top
U1L1 "CM1230_02_BGALF-D30400-001" BGA4_1_05MM#1 20022,15876 r0 bottom
U1L2 "CM1230_02_BGALF-D30400-001" BGA4_1_05MM#1 20120,16127 r0 bottom
U1L3 "CM1230_02_BGALF-D30400-001" BGA4_1_05MM#1 19984,16083 r180 bottom
U1L4 "CM1230_02_BGALF-D30400-001" BGA4_1_05MM#1 20148,15875 r180 bottom
U2A2 "TPS22920_BGALF-G94441-001" BGA8_1_05MM#1 22310,15806 r180 top
U2A3 "TPS51200_SONLF-E17764-001" MLF10_3X3_05MM_EP 22611,15822 r180 top
U2A4 "TPS22920_BGALF-G94441-001" BGA8_1_05MM#1 22365,15925 r0 top
U2A5 "CLANTON_CUSTOMER_R1P2_BGALF-IPD031-201" BGA393_15X15MM 21916,16487 r270 top
U2B1 "AD7298_LFCSPLF-G83474-001" TQFN20_4X4_05MM_EP 22122,17306 r270 top
U2B2 "CM1230_02_BGALF-D30400-001" BGA4_1_05MM#2 22061,17747 r180 top
U2B3 "CM1230_02_BGALF-D30400-001" BGA4_1_05MM#2 21786,17747 r270 top
U2L1 "TPS22920_BGALF-G94441-001" BGA8_1_05MM#2 21441,16547.01 r180 bottom
U2M1 "TPS22920_BGALF-G94441-001" BGA8_1_05MM#2 21438.99,16664 r270 bottom
U3A1 "TPS652510_QFNLF-G43225-001" QFN40_6X6_05MM_EP2X3 20805,16518 r180 top
U3B1 "TPS2051BDBVR_SOT23LF-E58210-001" SOT23_5P 21539,17155.5 r0 top
U3B2 "MAX3232_TSSOPLF-C76254-001" SSOP16_65MM 21519.5,17663.55 r180 top
U4B1 "DP83848I_LQFPLF-G60296-001" LQFP48_7X7_P5MM 19986,17247 r180 top
Y2A1 "CRYSTAL_SMLF-E68732-001" SMY_FC255 21674,15983 r180 top
Y3L1 "CRYSTAL_SMLF-G91801-001" SMY2414_2P 22026,15956 r180 bottom

## Footprints (in the part's own frame and the unit in brackets; to place one, negate y for a bottom-side part, rotate by r counter-clockwise, add the part's x,y. Pads: shape width x height; smd on the part's side, far side on the other; paste and mask are expansions set on the pad)
1X6RCPT_2P54_VT_TH [mil] "1X6RCPT_2P54_VT_TH"
  rect 52x52 hole 32: 1(-250,0)
  round 52 hole 32: 2(-150,0) 3(-50,0) 4(50,0) 5(150,0) 6(250,0)
  silkscreen extent -300,-50 300,143
1X8RCPT_2P54_VT_TH [mil] "1X8RCPT_2P54_VT_TH"
  rect 52x52 hole 32: 1(-350,0)
  round 52 hole 32: 2(-250,0) 3(-150,0) 4(-50,0) 5(50,0) 6(150,0) 7(250,0) 8(350,0)
  silkscreen extent -400,-50 400,143
1X10RCPT_2P54_VT_TH [mil] "1X10RCPT_2P54_VT_TH"
  rect 52x52 hole 32: 1(-450,0)
  round 52 hole 32: 2(-350,0) 3(-250,0) 4(-150,0) 5(-50,0) 6(50,0) 7(150,0) 8(250,0) 9(350,0) 10(450,0)
  silkscreen extent -500,-50 500,148
2X4HDR7 [mil] "2X4HDR7"
  rect 60x60 hole 45: 1(-50,150)
  round 60 hole 45: 2(50,150) 3(-50,50) 4(50,50) 5(-50,-50) 6(50,-50) 8(50,-150)
  silkscreen extent -140,-208 105,208
2X5HDR_SHRD_1P27MM_VT_TH [mil] "2X5HDR_SHRD_1P27MM_VT_TH"
  rect 45x45 hole 29: 1(-100,-30.02)
  round 45 hole 29: 2(-100,19.98) 3(-50,-30.02) 4(-50,19.98) 5(0,-30.02) 6(0,19.98) 7(50,-30.02) 8(50,19.98) 9(100,-30.02) 10(100,19.98)
  round 10 hole 47: " "(-230.47,-5.02) " "(230.47,-5.02)
  silkscreen extent -250,-145 250,105
102276-001 [mil] "102276-001"
  rect 56x56 hole 38: 1(0,50)
  round 56 hole 38: 2(0,-50)
  silkscreen extent -49,-95 49,153
102276-003 [mil] "102276-003"
  rect 56x56 hole 38: 1(-2.5,102.5)
  round 56 hole 38: 2(-2.5,2.5) 3(-2.5,-97.5)
  silkscreen extent -123,-148 58,152
628492-001 [mil] "628492-001"
  round 60 all layers, no hole: 1(-0.5,0)
  silkscreen extent -688,-125 688,125
BGA4_1_05MM#1 [mil] "BGA4_1_05MM"
  round 60 smd: A1(9.84,-9.84) A2(-9.84,-9.84) B1(9.84,9.84) B2(-9.84,9.84)
  silkscreen extent -30,-30 30,30
BGA4_1_05MM#2 [mil] "BGA4_1_05MM"
  round 12 smd: A1(-9.84,9.84) A2(9.84,9.84) B1(-9.84,-9.84) B2(9.84,-9.84)
  silkscreen extent -60,-30 30,64
BGA8_1_05MM#1 [mil] "BGA8_1_05MM"
  round 12 smd: A1(9.84,-29.54) A2(-9.84,-29.54) B1(9.84,-9.85) B2(-9.84,-9.85) C1(9.84,9.84) C2(-9.84,9.84) D1(9.84,29.53) D2(-9.84,29.53)
  silkscreen extent -24,-71 60,43
BGA8_1_05MM#2 [mil] "BGA8_1_05MM"
  round 60 smd: A1(-9.84,29.53) A2(9.84,29.53) B1(-9.84,9.84) B2(9.84,9.84) C1(-9.84,-9.85) C2(9.84,-9.85) D1(-9.84,-29.53) D2(9.84,-29.53)
  silkscreen extent -24,-43 24,43